# Altium PCB MOTHER_BOARD_LS1021_v1.0.PcbDoc (part 2 of 15)
Units mm, origin at the board's own origin, x right, y up, seen from the top; angles counter-clockwise.
Board outline 285 x 90.6 mm, 10 copper layers (TOP, GND1, SIGNAL1, GND+PWR1, POWER1, POWER2, GND+PWR2, SIGNAL2, GND2, BOTTOM), stack 1.739 mm thick; 1099 components, 832 nets, 4657 pads, 2737 vias.
Unrouted connection lines stored in the file: 7.
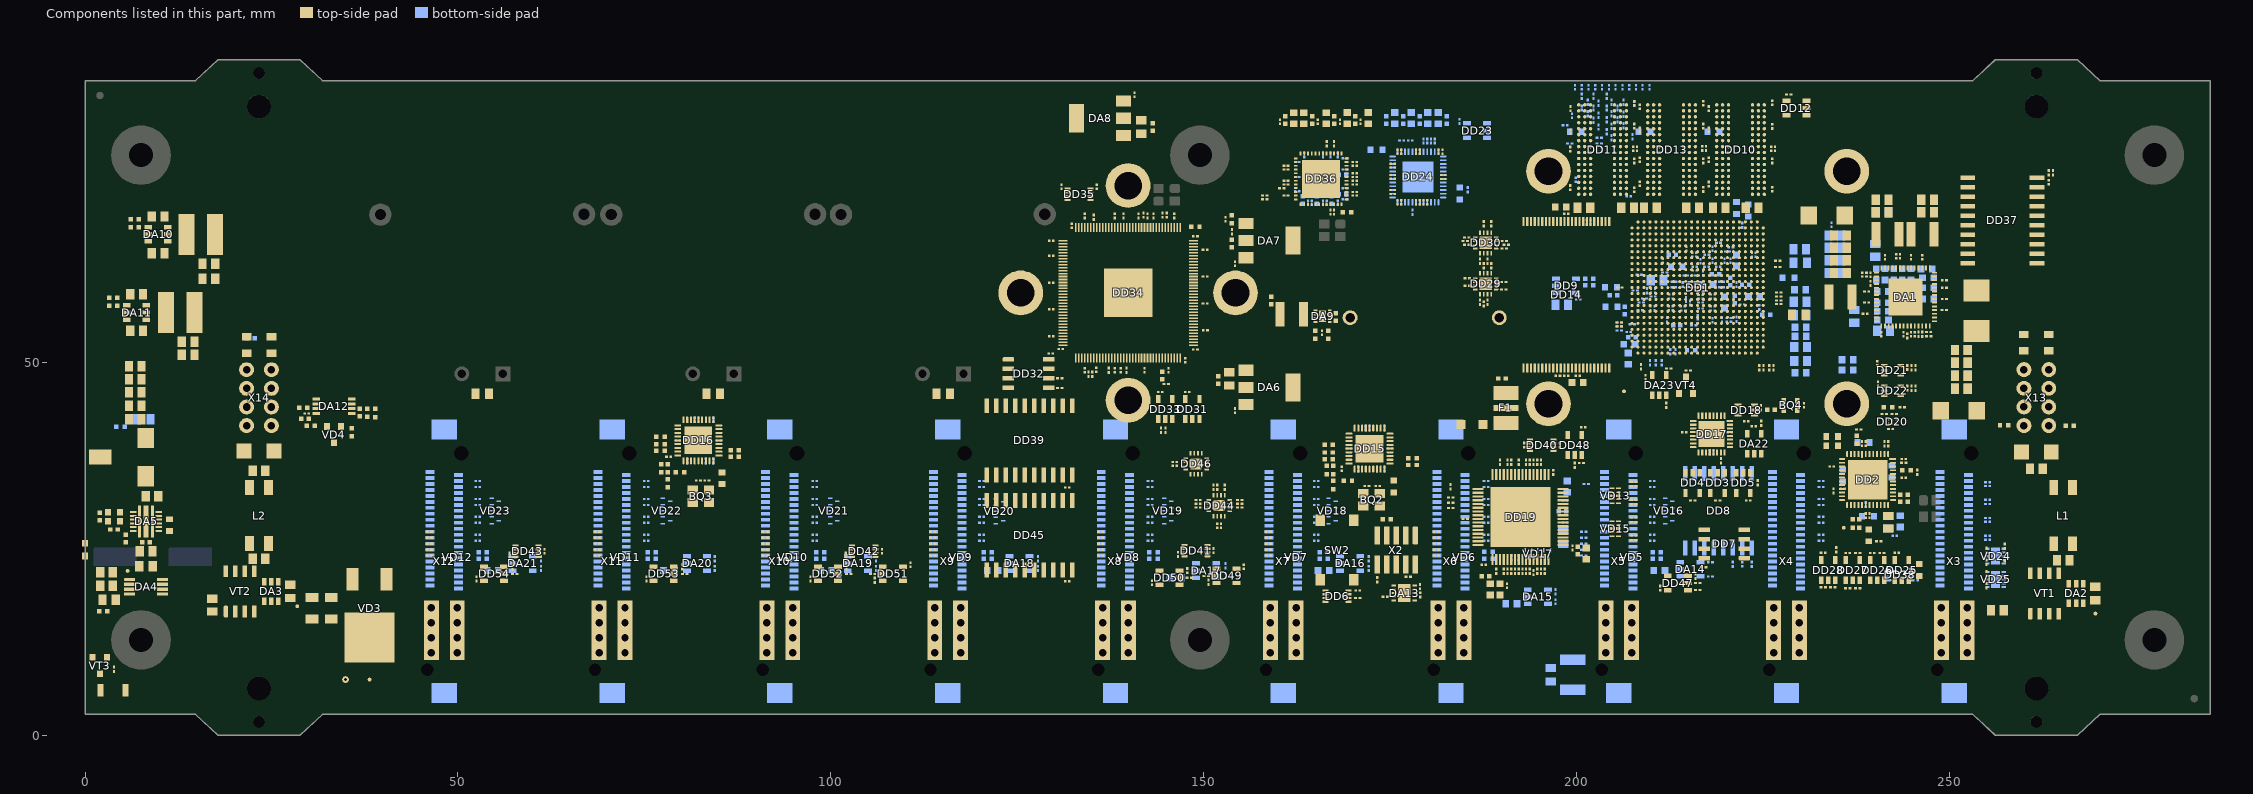
[diagram p10: the components of this part, seen from the top]

## Components (designator, comment, footprint, x,y, rotation, side; value= is the part's Value field where it differs from the comment) (continued)
C434 "0,01 мкФ" C0201 168.95,73.375 r0 bottom
C435 "0,01 мкФ" C0201 163.5,77.825 r90 bottom
C436 "0,01 мкФ" C0201 168,71.425 r270 bottom
C437 "0,01 мкФ" C0201 164.5,71.425 r270 bottom
C438 "0,01 мкФ" C0201 162.55,76.875 r180 bottom
C439 "0,01 мкФ" C0201 162.55,74.875 r180 bottom
C440 "0,01 мкФ" C0201 168,77.825 r90 bottom
C441 "0,1 мкФ" C0201 210.15,34.1 r0 bottom
C442 "0,1 мкФ" C0201 210.15,30.9 r0 bottom
C443 "0,1 мкФ" C0201 210.15,29.3 r0 bottom
C444 "0,1 мкФ" C0201 210.15,26.1 r0 bottom
C445 "0,1 мкФ" C0201 187.875,34.1 r0 bottom
C446 "0,1 мкФ" C0201 187.875,30.9 r0 bottom
C447 "0,1 мкФ" C0201 187.875,29.3 r0 bottom
C448 "0,1 мкФ" C0201 187.875,26.1 r0 bottom
C449 "0,1 мкФ" C0201 165.125,34.1 r0 bottom
C450 "0,1 мкФ" C0201 165.125,30.9 r0 bottom
C451 "0,1 мкФ" C0201 165.125,29.3 r0 bottom
C452 "0,1 мкФ" C0201 165.125,26.1 r0 bottom
C453 "0,1 мкФ" C0201 142.825,34.1 r0 bottom
C454 "0,1 мкФ" C0201 142.825,30.9 r0 bottom
C455 "0,1 мкФ" C0201 142.825,29.3 r0 bottom
C456 "0,1 мкФ" C0201 142.825,26.1 r0 bottom
C457 "0,1 мкФ" C0201 210.15,33.3 r0 bottom
C458 "0,1 мкФ" C0201 210.15,31.7 r0 bottom
C459 "0,1 мкФ" C0201 210.15,28.5 r0 bottom
C460 "0,1 мкФ" C0201 210.15,26.9 r0 bottom
C461 "0,1 мкФ" C0201 187.875,33.3 r0 bottom
C462 "0,1 мкФ" C0201 187.875,31.7 r0 bottom
C463 "0,1 мкФ" C0201 187.875,28.5 r0 bottom
C464 "0,1 мкФ" C0201 187.875,26.9 r0 bottom
C465 "0,1 мкФ" C0201 165.125,33.3 r0 bottom
C466 "0,1 мкФ" C0201 165.125,31.7 r0 bottom
C467 "0,1 мкФ" C0201 165.125,28.5 r0 bottom
C468 "0,1 мкФ" C0201 165.125,26.9 r0 bottom
C469 "0,1 мкФ" C0201 142.825,33.3 r0 bottom
C470 "0,1 мкФ" C0201 142.825,31.7 r0 bottom
C471 "0,1 мкФ" C0201 142.825,28.5 r0 bottom
C472 "0,1 мкФ" C0201 142.825,26.9 r0 bottom
C473 "0,1 мкФ" C0201 120.225,33.3 r0 bottom
C474 "0,1 мкФ" C0201 120.225,31.7 r0 bottom
C475 "0,1 мкФ" C0201 120.225,28.5 r0 bottom
C476 "0,1 мкФ" C0201 120.225,26.9 r0 bottom
C477 "0,1 мкФ" C0201 97.85,33.3 r0 bottom
C478 "0,1 мкФ" C0201 97.85,31.7 r0 bottom
C479 "0,1 мкФ" C0201 97.85,28.5 r0 bottom
C480 "0,1 мкФ" C0201 97.85,26.9 r0 bottom
C481 "0,1 мкФ" C0201 75.275,33.3 r0 bottom
C482 "0,1 мкФ" C0201 75.275,31.7 r0 bottom
C483 "0,1 мкФ" C0201 75.275,28.5 r0 bottom
C484 "0,1 мкФ" C0201 75.275,26.9 r0 bottom
C485 "0,1 мкФ" C0201 52.675,33.3 r0 bottom
C486 "0,1 мкФ" C0201 52.675,31.7 r0 bottom
C487 "0,1 мкФ" C0201 52.675,28.5 r0 bottom
C488 "0,1 мкФ" C0201 52.675,26.9 r0 bottom
C489 "0,1 мкФ" C0201 120.225,34.1 r0 bottom
C490 "0,1 мкФ" C0201 120.225,30.9 r0 bottom
C491 "0,1 мкФ" C0201 120.225,29.3 r0 bottom
C492 "0,1 мкФ" C0201 120.225,26.1 r0 bottom
C493 "0,1 мкФ" C0201 97.85,34.1 r0 bottom
C494 "0,1 мкФ" C0201 97.85,30.9 r0 bottom
C495 "0,1 мкФ" C0201 97.85,29.325 r0 bottom
C496 "0,1 мкФ" C0201 97.85,26.1 r0 bottom
C497 "0,1 мкФ" C0201 75.275,34.1 r0 bottom
C498 "0,1 мкФ" C0201 75.275,30.9 r0 bottom
C499 "0,1 мкФ" C0201 75.275,29.3 r0 bottom
C500 "0,1 мкФ" C0201 75.275,26.1 r0 bottom
C501 "0,1 мкФ" C0201 52.675,34.1 r0 bottom
C502 "0,1 мкФ" C0201 52.675,30.9 r0 bottom
C503 "0,1 мкФ" C0201 52.675,29.3 r0 bottom
C504 "0,1 мкФ" C0201 52.675,26.1 r0 bottom
C505 "0,1 мкФ" C0201 245.775,21.05 r270 bottom
C506 "0,1 мкФ" C0201 263.325,74.15 r270 top
C507 "0,1 мкФ" C0201 193,38.925 r90 top
C508 "0,1 мкФ" C0201 151.325,24.775 r270 top
C509 "0,1 мкФ" C0201 106.875,24.7 r270 top
C510 "0,1 мкФ" C0201 61.625,24.7 r270 top
C511 "0,1 мкФ" C0201 131.7,33.225 r180 top
C512 "0,1 мкФ" C0201 197.775,38.9 r270 top
C513 "0,1 мкФ" C0201 146.55,24.25 r270 top
C514 "0,1 мкФ" C0201 102.025,24.175 r270 top
C515 "0,1 мкФ" C0201 56.9,24.175 r270 top
C516 "0,1 мкФ" C0201 152.325,28.1 r270 top
C517 "0,1 мкФ" C0201 131.725,20.65 r180 top
C518 "0,1 мкФ" C0201 146.125,36.15 r180 top
C519 "0,1 мкФ" C0201 151.825,28.1 r270 top
C520 "0,1 мкФ" C0201 146.125,36.65 r180 top
C521 "0,1 мкФ" C0201 211.25,19.75 r90 top
C522 "0,1 мкФ" C0201 200.9,41.3 r0 top
C523 "0,1 мкФ" C0201 155.375,22.6 r90 top
C524 "0,1 мкФ" C0201 143.075,20.45 r90 top
C525 "0,1 мкФ" C0201 110.7,22.875 r90 top
C526 "0,1 мкФ" C0201 97.3,20.975 r90 top
C527 "0,1 мкФ" C0201 75.3,20.975 r90 top
C528 "0,1 мкФ" C0201 52.5,20.975 r90 top
C529 "0,1 мкФ" C0201 135.675,73.575 r90 top
C530 "0,1 мкФ" C0201 232.8,26.9 r180 bottom
C531 "0,1 мкФ" C0201 232.8,26.1 r180 bottom
C532 "0,1 мкФ" C0201 232.8,29.3 r180 bottom
C533 "0,1 мкФ" C0201 232.8,28.5 r180 bottom
C534 "0,1 мкФ" C0201 232.8,33.3 r180 bottom
C535 "0,1 мкФ" C0201 232.8,34.1 r180 bottom
C536 "0,1 мкФ" C0201 232.8,30.9 r180 bottom
C537 "0,1 мкФ" C0201 232.8,31.7 r180 bottom
C538 "22 мкФ" C0805 256.45,16.8 r180 top
DA1 "MC34VR500V1ES" QFN-56 244.125,58.775 r180 top
DA2 "LTC4412ES6" SOT-23-6 267,19.025 r270 top
DA3 "LTC4412ES6" SOT-23-6 24.95,19.3 r270 top
DA4 "TL7700CDGKR" "VSSOP8 P0.65" 8.175,19.925 r0 top
DA5 "TPS54020RUW" PVQFN-N15 8.175,28.675 r90 top
DA6 "LD1117S18CTR" SOT-223 158.825,46.65 r270 top
DA7 "LD1117STR" SOT-223 158.825,66.35 r270 top
DA8 "LD1117S12CTR" SOT-223 136.125,82.75 r90 top
DA9 "TPS62065DSGR" WSON8 165.95,56.2 r0 top
DA10 "TPS563209DDC" SOT-23-6 9.8,67.175 r180 top
DA11 "TPS563209DDC" SOT-23-6 6.9,56.7 r180 top
DA12 "MCP6542-I/MS" MSOP-8L 33.375,44.125 r180 top
DA13 "TPS3850H33DRC" VSON-10 176.925,19.075 r180 top
DA14 "TPS2051BDBV" SOT-23(DBV5) 215.275,22.25 r90 bottom
DA15 "TPS2051BDBV" SOT-23(DBV5) 194.825,18.6 r90 bottom
DA16 "TPS2051BDBV" SOT-23(DBV5) 169.65,23.05 r90 bottom
DA17 "TPS2051BDBV" SOT-23(DBV5) 150.35,22.1 r90 bottom
DA18 "TPS2051BDBV" SOT-23(DBV5) 125.3,23.05 r90 bottom
DA19 "TPS2051BDBV" SOT-23(DBV5) 103.625,23.05 r90 bottom
DA20 "TPS2051BDBV" SOT-23(DBV5) 82.075,23.05 r90 bottom
DA21 "TPS2051BDBV" SOT-23(DBV5) 58.675,23.05 r90 bottom
DA22 "TPS2051BDBV" SOT-23(DBV5) 223.825,39.1 r0 top
DA23 "TPS2051BDBV" SOT-23(DBV5) 211.1,46.95 r0 top
DD1 "LS1021A" BGA525 216.25,60.05 r90 top locked
DD2 "IDT6V49205BNLGI" QFN48_7x7 239.05,34.3 r180 top
DD3 "SN74LVC1G07DBV" SOT-23(DBV5) 218.925,33.85 r180 top
DD4 "SN74LVC1G07DBV" SOT-23(DBV5) 215.575,33.85 r180 top
DD5 "SN74LVC1G07DBV" SOT-23(DBV5) 222.35,33.85 r180 top
DD6 "SN74LVC2G08DCUR" VSSOP8 167.9,18.675 r0 top
DD7 "24LC08B-I/SN" SOIC8 219.825,25.675 r270 top
DD8 "DS3231SN" "SOIC-16(WIDE) 0.6х2 P1.27" 219.05,30.1 r180 bottom
DD9 "74LVC1G126DBV" SOT-23(DBV5) 198.6,60.275 r90 bottom
DD10 "K4B4G1646E-BMMA" FBGA-96 222,78.55 r180 top locked
DD11 "K4B4G1646E-BMMA" FBGA-96 203.5,78.55 r180 top locked
DD12 "SN74LVC1G07DBV" SOT-23(DBV5) 229.5,84.125 r90 top
DD13 "K4B4G1646E-BMMA" FBGA-96 212.75,78.55 r180 top locked
DD14 "MT29F64G08CBABBWP" TSOP-48 198.65,59.075 r270 top
DD15 "USB2514B" QFN36_PAD 172.25,38.45 r180 top
DD16 "USB2514B" QFN36_PAD 82.25,39.55 r180 top
DD17 "TUSB1210BRHB" PVQFN-N32 218.125,40.4 r270 top
DD18 "SN74LVC1G17DCK" SC70 222.775,43.625 r90 top
DD19 "TFP410MPAPREP" "LQFP64 0.3x1.3 P0.5 Thermal PAD" 192.5,29.275 r0 top
DD20 "LSF0101DRYR" SON-6 242.375,42.05 r90 top
DD21 "SN74AUP1T34DCKR" SC70 242.375,48.95 r270 top
DD22 "SN74AUP1T34DCKR" SC70 242.375,46.2 r270 top
DD23 "SN74LVC1G126DBVR" SOT-23(DBV5) 186.675,81.1 r270 bottom
DD24 "DP83867ERGZ" QFN-48 178.75,74.875 r0 bottom
DD25 "SN74LVC1G07DBV" SOT-23(DBV5) 243.625,22.15 r0 top
DD26 "SN74LVC1G07DBV" SOT-23(DBV5) 240.325,22.15 r0 top
DD27 "SN74LVC1G07DBV" SOT-23(DBV5) 237.05,22.15 r0 top
DD28 "SN74LVC1G07DBV" SOT-23(DBV5) 233.75,22.15 r0 top
DD29 "TS3A44159RGTR" PVQFN16 187.825,60.55 r180 top
DD30 "TS3A44159RGTR" PVQFN16 187.825,66.025 r180 top
DD31 "SN74LVC1G126DBVR" SOT-23(DBV5) 148.5,43.75 r0 top
DD32 "AT24C32E-SSHM-T" SOIC8 126.525,48.5 r90 top
DD33 "SN74AHC1G09DBVR" SOT-23(DBV5) 144.875,43.75 r0 top
DD34 "88E6390" "TQFP-144 (EPAD)" 139.875,59.325 r0 top
DD35 "TCA9617B" VSSOP8 133.3,72.55 r0 top
DD36 "KSZ9031RNXIC" "QFN48 (5.1 Epad)" 165.75,74.625 r180 top
DD37 "SN74LVC245ADWR" SOIC-20(WIDE) 257.125,69.05 r0 top
DD38 "SN74LVC2G125DCUT" VSSOP8 243.375,21.55 r0 bottom
DD39 "SN74LVC245ADWR" SOIC-20(WIDE) 126.65,39.55 r270 top
DD40 "TCA9406DCU" VSSOP8 195.35,38.925 r0 top
DD41 "TCA9406DCU" VSSOP8 148.975,24.775 r180 top
DD42 "TCA9406DCU" VSSOP8 104.425,24.7 r180 top
DD43 "TCA9406DCU" VSSOP8 59.275,24.7 r180 top
DD44 "TCA6408ARGTR" VQFN-16 152.075,30.8 r180 top
DD45 "SN74LVC245ADWR" SOIC-20(WIDE) 126.65,26.825 r270 top
DD46 "TCA6408ARGTR" VQFN-16 149,36.4 r90 top
DD47 "SN74AHC1G09DBVR" SOT-23(DBV5) 213.6,20.425 r90 top
DD48 "SN74AHC1G09DBVR" SOT-23(DBV5) 199.775,38.925 r0 top
DD49 "SN74AHC1G09DBVR" SOT-23(DBV5) 153.075,21.375 r270 top
DD50 "SN74AHC1G09DBVR" SOT-23(DBV5) 145.425,21.125 r90 top
DD51 "SN74AHC1G09DBVR" SOT-23(DBV5) 108.325,21.65 r270 top
DD52 "SN74AHC1G09DBVR" SOT-23(DBV5) 99.625,21.65 r90 top
DD53 "SN74AHC1G09DBVR" SOT-23(DBV5) 77.6,21.65 r90 top
DD54 "SN74AHC1G09DBVR" SOT-23(DBV5) 54.85,21.65 r90 top
Designator1 "Comment" R0603#1 0,24.9 r90 top
Designator11 "Comment" "WA-SMSI- 4mm" 236.25,44.45 r90 top locked
Designator12 "Comment" "WA-SMSI- 4mm" 236.25,75.65 r90 top locked
Designator13 "Comment" "WA-SMSI- 4mm" 196.25,44.45 r90 top locked
Designator14 "Comment" "WA-SMSI- 4mm" 196.25,75.65 r90 top locked
Designator16 "Comment" "WA-SMSI- 4mm" 154.275,59.325 r90 top locked
Designator17 "Comment" "WA-SMSI- 4mm" 139.875,73.725 r180 top locked
Designator18 "Comment" "WA-SMSI- 4mm" 139.875,44.925 r0 top locked
Designator19 "Comment" "WA-SMSI- 4mm" 125.475,59.325 r270 top locked
F1 "TBU-CA065-200-WH" TBU-CA065-200-WH 190.55,43.9 r270 top
K1 "GND_DELIM" GND_DELIM 2.025,37.3 r90 top net-tie
L1 "SCM05-9250100N" WE-SL2 265.275,29.45 r270 top
L2 "SCM05-9250100N" WE-SL2 23.325,29.475 r270 top
L3 "1 мкГн" WURTH_74437346010 253.675,56.925 r0 top
L4 "2,2 мкГн" WURTH-LQSH-4020 241.725,67.175 r180 top
L5 "2,2 мкГн" WURTH-LQSH-4020 235.4,58.775 r180 top
L6 "2,2 мкГн" WURTH-LQSH-4020 246.4,67.175 r0 top
L7 "1 мкГн" WE-HCI_7040 8.125,37.3 r180 top
L8 "2,2 мкГн" WURTH-LQSH-4020 161.825,56.45 r180 top
L9 "3,3 мкГн" WURTH_744774033 15.5,67.175 r90 top
L10 "3,3 мкГн" WURTH_744774033 12.75,56.7 r90 top
L11 "SB01-160808121P" L0603 230.05,48.625 r180 bottom
L12 "SB01-160808121P" L0603 230.05,53.5 r180 bottom
L13 "SB01-160808121P" L0603 206.975,50.525 r270 bottom
L14 "SB01-160808121P" L0603 236.375,50.35 r0 bottom
L15 "SB01-160808121P" L0603 230.05,54.75 r0 bottom
L16 "SB01-160808121P" L0603 230,59.775 r0 bottom
L17 "SB01-160808121P" L0603 243.4,28.675 r90 bottom
L18 "SB01-160808121P" L0603 211.125,22.1 r180 bottom
L19 "SB01-160808121P" L0603 191.275,17.65 r180 bottom
L20 "SB01-160808121P" L0603 166.1,22.1 r180 bottom
L21 "SB01-160808121P" L0603 146.25,21.15 r180 bottom
L22 "SB01-160808121P" L0603 121.725,22.1 r180 bottom
L23 "SB01-160808121P" L0603 99.4,22.1 r180 bottom
L24 "SB01-160808121P" L0603 78.325,22.1 r180 bottom
L25 "SB01-160808121P" L0603 54.675,22.1 r180 bottom
L26 "SB01-160808121P" L0603 201.3,24.375 r90 top
L27 "SB01-160808121P" L0603 189.75,19.575 r90 top
L28 "SB01-160808121P" L0603 198.775,33.35 r270 bottom
L29 "SB01-160808121P" L0603 188.45,19.575 r90 top
L30 "WE-CBF 742792625" L0603 180.075,82.775 r270 bottom
L31 "WE-CBF 742792625" L0603 175.65,82.775 r270 bottom
L32 "WE-CBF 742792625" L0603 177.85,82.775 r270 bottom
L33 "WE-CBF 742792625" L0603 181.475,82.775 r270 bottom
L34 "SB01-160808121P" L0603 162.075,82.75 r270 top
L35 "SB01-160808121P" L0603 166.425,82.75 r270 top
L36 "SB01-160808121P" L0603 169.25,82.775 r270 top
L37 "SB01-160808121P" L0603 172.05,82.775 r270 top
L38 "SB01-160808121P" L0603 163.425,82.75 r270 top
R1 "10K" R0201 247.225,53.5 r180 top
R2 "4K7" R0201 245.875,53.8 r270 top
R3 "10K" R0201 249.35,57.025 r180 top
R4 "4K7" R0201 246.375,53.8 r270 top
R5 "470К" R0805 269.6,19.025 r90 top
R6 "470К" R0805 27.5,19.3 r90 top
R7 "470К" R0805 3.225,18.2 r0 top
R8 "24К9" R0402 2.45,16.65 r180 top
R9 "470К" R0805 8.175,22.65 r180 top
R10 "499К 1%" R0603#2 11.325,28.175 r90 top
R11 "243К 1%" R0603#2 3.875,29.925 r0 top
R12 "6К49 1%" R0603#2 3.875,28.725 r0 top
R13 "10K" R0201 3.875,8.875 r270 top
R14 "28К 1%" R0805 7.875,42.375 r0 bottom
R15 "6К2 1%" R0402 4.75,41.375 r0 bottom
R16 "510 Ом 1%" R0805 153.45,47.8 r270 top
R17 "1К 1%" R0201 153.8,67.525 r270 top
R18 "200 1%" R0402 153.8,69.2 r90 top
R19 "510 Ом 1%" R0805 141.65,81.575 r90 top
R20 "47К 1%" R0402 165,53.725 r90 top
R21 "56К2 1%" R0402 166.725,53.725 r90 top
R22 "56 Ом" R1206 30.425,17.05 r90 top
R23 "56 Ом" R1206 33.025,17.025 r90 top
R24 "82К5 1%" R0402 22.221,53.265 r0 bottom
R25 "82К5 1%" R0402 38.9,43.225 r270 top
R26 "150К 1%" R0805 53.275,45.8 r180 top
R27 "11К8 1%" R0402 30.275,41.51 r0 top
R28 "82К5 1%" R0402 37.825,43.25 r270 top
R29 "82К5 1%" R0402 266.15,41.525 r0 top
R30 "150К 1%" R0805 84.25,45.8 r180 top
R31 "11К8 1%" R0402 257.35,41.6 r180 top
R32 "82К5 1%" R0402 6.65,68.125 r0 top
R33 "15К 1%" R0402 6.65,69.2 r0 top
R34 "82К5 1%" R0402 3.775,57.625 r0 top
R35 "36К 1%" R0402 3.775,58.675 r0 top
R36 "150К 1%" R0805 115.075,45.8 r180 top
R37 "82К5 1%" R0402 35.775,40.65 r90 top
R38 "82К5 1%" R0402 29.275,43.9 r0 top
R39 "330" R0201 209.45,59.6 r90 bottom
R40 "330" R0201 209.925,57.25 r90 bottom
R41 "330" R0201 209.125,58.575 r0 bottom
R42 "0,33" R0805 229.825,56.375 r180 top
R43 "0,33" R0805 230,63.375 r180 bottom
R44 "5,1 Ом" R0603#2 213.45,62.85 r180 bottom
R45 "5,1 Ом" R0603#2 204.675,57.475 r180 bottom
R46 "5,1 Ом" R0603#2 204.65,60.1 r180 bottom
R47 "10K" R0201 243.875,36.55 r0 top
R48 "1 Ом" R0603#2 242.325,35.35 r90 bottom
R49 "1 Ом" R0603#2 238.5,39.275 r180 bottom
R50 "1 Ом" R0603#2 235.7,34.825 r270 bottom
R51 "1 Ом" R0603#2 239.075,29.375 r180 bottom
R52 "10K" R0201 240.55,26.025 r0 top
R53 "10K" R0201 241.3,39.125 r90 top
R54 "10K" R0201 241.8,39.125 r90 top
R55 "5,1 Ом" R0603#2 239.2,26.825 r90 top
R56 "330" R0201 237.875,41 r0 top
R57 "100" R0402 237.575,39.625 r90 top
R58 "100" R0402 244.25,35.55 r0 top
R59 "5,1 Ом" R0603#2 234.3,40.075 r180 top
R60 "5,1 Ом" R0603#2 234.3,38.85 r180 top
R61 "330" R0201 245.7,35.25 r90 top
R62 "100" R0402 237.025,28.4 r270 top
R63 "82" R0402 237.925,28.4 r90 top
R64 "4K7" R0201 218.925,31.5 r180 top
R65 "4K7" R0201 215.575,31.5 r180 top
R66 "4K7" R0201 207.475,55.125 r180 bottom
R67 "4K7" R0201 224.325,33.85 r270 top
R68 "4K7" R0201 227.025,62.8 r180 top
R69 "4K7" R0201 227.025,63.625 r180 top
R70 "4K7" R0201 212.575,51.425 r90 bottom
R71 "4 x 4K7" R0201 213.275,51.425 r90 bottom
R72 "4K7" R0201 221.45,55.8 r270 bottom
R73 "4K7" R0201 208.55,57 r0 bottom
R74 "1К 1%" R0201 211.45,49.975 r270 bottom
R75 "1К 1%" R0201 210.65,49.975 r270 bottom
R76 "10K" R0201 170.675,18.425 r0 top
R77 "2К2" R0201 223.5,22.95 r90 bottom
R78 "4K7" R0201 220.95,22.95 r270 bottom
R79 "10K" R0201 174.375,18.575 r0 top
R80 "4K7" R0201 205.725,54.3 r180 bottom
R81 "4K7" R0201 205.725,54.85 r180 bottom
R82 "4K7" R0201 205.725,55.375 r180 top
R83 "4K7" R0201 205.725,54.825 r180 top
R84 "5 x 4K7" R0201 205.725,55.375 r180 bottom
R85 "4K7" R0201 207.9,59.65 r180 bottom
R86 "10K" R0201 177.425,21.275 r0 top
R87 "0" R0402 174.55,28.975 r180 top
R88 "10K" R0201 173.3,20.875 r270 top
R89 "4K7" R0201 222.25,68.425 r270 bottom
R90 "82" R0402 201.725,61.225 r180 bottom
R91 "100" R0402 201.725,60.325 r180 bottom
R92 "162 1%" R0603#2 221.45,70.725 r270 bottom
R93 "162 1%" R0603#2 223.05,70.375 r270 bottom
R94 "240 1%" R0603#2 218.4,80.95 r0 bottom
R95 "240 1%" R0603#2 199.9,80.925 r0 bottom
R96 "10K" R0201 228.45,85.925 r180 top
R97 "33" R0201 203.075,79.35 r0 bottom
R98 "33" R0201 203.075,80.15 r0 bottom
R99 "240 1%" R0603#2 209.15,80.95 r0 bottom
R100 "33" R0201 205.5,82.525 r90 bottom
R101 "33" R0201 201.5,83.325 r90 bottom
R102 "33" R0201 204.075,82.525 r90 bottom
R103 "33" R0201 204.7,83.325 r90 bottom
R104 "33" R0201 202.3,84.125 r90 bottom
R105 "33" R0201 204.075,84.125 r90 bottom
R106 "33" R0201 206.3,83.3 r90 bottom
R107 "33" R0201 200.7,84.125 r90 bottom
R108 "33" R0201 205.5,84.125 r90 bottom
R109 "33" R0201 201.5,84.925 r90 bottom
R110 "33" R0201 206.3,84.925 r90 bottom
R111 "33" R0201 200.7,85.725 r90 bottom
R112 "33" R0201 204.7,84.925 r90 bottom
R113 "33" R0201 202.95,81.575 r90 bottom
R114 "33" R0201 202.95,84.775 r90 bottom
R115 "33" R0201 202.95,83.175 r90 bottom
R116 "33" R0201 204.075,85.725 r90 bottom
R117 "33" R0201 202.3,85.725 r90 bottom
R118 "33" R0201 202.3,82.475 r90 bottom
R119 "33" R0201 204.7,80.125 r90 bottom
R120 "33" R0201 204.075,80.925 r90 bottom
R121 "33" R0201 204.7,81.7 r90 bottom
R122 "33" R0201 206.3,81.725 r90 bottom
R123 "33" R0201 199.125,79.35 r180 bottom
R124 "33" R0201 207.525,80.25 r90 bottom
R125 "4K7" R0201 201.35,68.8 r270 bottom
R126 "4K7" R0201 201.9,68.8 r270 bottom
R127 "4,7 Ом" R0402 210.775,23.65 r180 bottom value="10 Ом 0402"
R128 "4,7 Ом" R0402 210.775,24.55 r180 bottom value="10 Ом 0402"
R129 "4,7 Ом" R0402 188.2,23.7 r180 bottom value="10 Ом 0402"
R130 "4,7 Ом" R0402 188.2,24.6 r180 bottom value="10 Ом 0402"
R131 "4,7 Ом" R0402 166.1,23.65 r180 bottom value="10 Ом 0402"
R132 "4,7 Ом" R0402 166.1,24.55 r180 bottom value="10 Ом 0402"
R133 "4,7 Ом" R0402 143.275,23.65 r180 bottom value="10 Ом 0402"
R134 "4,7 Ом" R0402 143.275,24.55 r180 bottom value="10 Ом 0402"
R135 "4,7 Ом" R0402 121.05,23.675 r180 bottom value="10 Ом 0402"
R136 "4,7 Ом" R0402 121.05,24.575 r180 bottom value="10 Ом 0402"
R137 "4,7 Ом" R0402 98.575,23.65 r180 bottom value="10 Ом 0402"
R138 "4,7 Ом" R0402 98.575,24.55 r180 bottom value="10 Ом 0402"
R139 "4,7 Ом" R0402 76,23.65 r180 bottom value="10 Ом 0402"
R140 "4,7 Ом" R0402 76,24.55 r180 bottom value="10 Ом 0402"
R141 "4,7 Ом" R0402 53.325,23.65 r180 bottom value="10 Ом 0402"
R142 "4,7 Ом" R0402 53.325,24.55 r180 bottom value="10 Ом 0402"
R143 "10K" R0201 217.975,23.2 r180 bottom
R144 "10K" R0201 197.175,19.25 r90 bottom
R145 "10K" R0201 172.15,23.7 r90 bottom
R146 "10K" R0201 152.95,22.75 r90 bottom
R147 "10K" R0201 127.775,23.7 r90 bottom
R148 "10K" R0201 106.05,23.7 r90 bottom
R149 "10K" R0201 84.45,23.7 r90 bottom
R150 "10K" R0201 61.125,23.7 r90 bottom
R151 "12K 1%" R0603#2 175.5,33.35 r90 top
R152 "12K 1%" R0603#2 85.425,34.475 r90 top
R153 "0" R0402 167.4,33.575 r270 top value="Резистор чип 4,7 Ом 5% 0402"
R154 "0" R0402 178.025,37.15 r180 top value="Резистор чип 4,7 Ом 5% 0402"
R155 "0" R0402 178.025,36.25 r180 top value="Резистор чип 4,7 Ом 5% 0402"
R156 "0" R0402 78.15,33.8 r270 top value="Резистор чип 4,7 Ом 5% 0402"
R157 "0" R0402 87.125,38.25 r180 top value="Резистор чип 4,7 Ом 5% 0402"
R158 "0" R0402 87.125,37.35 r180 top value="Резистор чип 4,7 Ом 5% 0402"
R159 "100K" R0402 166.5,35.575 r90 top value="100 кОм 0402"
R160 "100K" R0402 77.25,35.8 r270 top value="100 кОм 0402"
R161 "100K" R0402 169.35,34.15 r0 top
R162 "100K" R0402 79.775,35.25 r0 top
R163 "100K" R0402 167.4,35.575 r90 top value="100 кОм 0402"
R164 "100K" R0402 78.15,35.8 r90 top value="100 кОм 0402"
R165 "100K" R0402 166.8,37.025 r180 top
R166 "100K" R0402 77.175,38.15 r180 top
R167 "100K" R0402 166.8,37.925 r180 top
R168 "100K" R0402 77.175,39.05 r180 top
R169 "100K" R0402 166.8,38.95 r180 top
R170 "100K" R0402 77.175,40.05 r180 top
R171 "10K" R0201 224.775,41.825 r270 top
R172 "330 Ом" R0201 219.375,36.8 r90 top
R173 "10K" R0201 212.05,44.275 r270 top
R174 "10K" R0201 214.975,48.925 r180 top
R175 "10K" R0201 212.35,49.2 r180 top
R176 "200 1%" R0402 215.375,51.65 r0 bottom
R177 "0" R0201 208.65,49.45 r270 top
R178 "10K" R0201 209.85,49.975 r270 bottom
R179 "10K" R0201 215.725,54.975 r0 bottom
R180 "10K" R0201 224.75,43.95 r270 top
R181 "33" R0201 191.25,36.625 r270 top
R182 "33" R0201 189.75,36.625 r270 top
R183 "33" R0201 192.25,36.625 r270 top
R184 "33" R0201 190.75,36.625 r270 top
R185 "33" R0201 193.25,36.625 r270 top
R186 "33" R0201 193.75,36.625 r270 top
R187 "33" R0201 194.25,36.625 r270 top
R188 "33" R0201 194.75,36.625 r270 top
R189 "33" R0201 183.15,30.475 r0 top
R190 "33" R0201 183.15,31.2 r0 top
R191 "33" R0201 183.15,31.875 r0 top
R192 "33" R0201 183.125,33.325 r270 top
R193 "33" R0201 189.25,22 r90 top
R194 "33" R0201 190.25,22 r90 top
R195 "33" R0201 190.75,22 r90 top
R196 "33" R0201 185.1,29.025 r0 top
R197 "2К2" R0201 192.25,22 r270 top
R198 "2К2" R0201 191.75,22 r270 top
R199 "2К2" R0201 191.25,22 r270 top
R200 "33" R0201 192.25,23.825 r90 bottom
R201 "33" R0201 191.75,23.825 r90 bottom
R202 "33" R0201 191.25,23.825 r90 bottom
R203 "330 Ом" R0201 195.25,36.625 r270 top
R204 "330 Ом" R0201 193.25,22 r90 top
R205 "330 Ом" R0201 195.75,22 r90 top
R206 "330 Ом" R0201 192.75,22 r90 top
R207 "330 Ом" R0201 194.75,22 r90 top
R208 "4К7" R0201 193.75,22 r90 top
R209 "330 Ом" R0201 195.25,22 r90 top
R210 "510 Ом 1%" R0805 198.25,26.6 r90 bottom
R211 "9M1" R0805 196.55,8.125 r90 bottom
R212 "200 1%" R0402 225.45,56.4 r180 bottom
R213 "698 1%" R0603#2 228.425,61.35 r0 bottom
R214 "2К2" R0201 242.625,43.1 r0 top
R215 "200K" R0402 241.775,44 r180 top
R216 "0" R0201 244.925,49.3 r90 top
R217 "0" R0201 245.475,49.3 r90 top
R218 "0" R0201 244.925,46.55 r90 top
R219 "0" R0201 245.475,46.55 r90 top
R220 "0" R0201 241.3,43.1 r0 top
R221 "0" R0201 243.675,44 r180 top
R222 "0" R0201 227.125,58.325 r0 top
R223 "0" R0201 227.125,57.825 r0 top
R224 "0" R0201 227.125,59.375 r0 top
R225 "0" R0201 227.125,58.85 r0 top
R226 "33" R0201 225.1,49.3 r270 top
R227 "33" R0201 225.85,49.3 r270 top
R228 "4K7" R0201 224.525,49.3 r90 top
R229 "4K7" R0201 226.425,49.3 r90 top
R230 "2К49 1%" R0603#2 184.35,72.675 r270 bottom
R231 "10K" R0201 185.425,73.175 r270 bottom
R232 "2К2" R0201 179.5,79.7 r270 bottom
R233 "2К2" R0201 180,79.7 r270 bottom
R234 "2К2" R0201 180.5,79.7 r270 bottom
R235 "2К2" R0201 181,79.7 r270 bottom
R236 "11К 1%" R0603#2 173.175,78.525 r180 bottom
R237 "2К2" R0201 178,70.15 r270 bottom
R238 "240 1%" R0603#2 245.975,22.15 r90 top
R239 "1К 1%" R0201 236.4,19.725 r0 top
R240 "1К 1%" R0201 240.975,24.45 r180 top
R241 "1К 1%" R0201 237.7,19.725 r180 top
R242 "1К 1%" R0201 234.85,24.9 r270 top
R243 "1К 1%" R0201 237.7,24.45 r180 top
R244 "1К 1%" R0201 234.391,19.845 r180 top
R245 "1К 1%" R0201 233.116,19.845 r0 top
R246 "330" R0201 185.075,66.275 r0 top
R247 "10K" R0201 190.575,65.775 r180 top
R248 "4K7" R0201 211.825,62.05 r0 bottom
R249 "4K7" R0201 208.675,58.05 r180 bottom
R250 "4K7" R0201 208.45,61.775 r180 bottom
R251 "4K7" R0201 205.825,60.05 r180 top
R252 "4K7" R0201 190.275,59.8 r0 top
R253 "4K7" R0201 188.075,58.075 r270 top
R254 "4K7" R0201 188.575,62.975 r90 top